# Allegro board 6089-119-RevB_08.brd (continued)
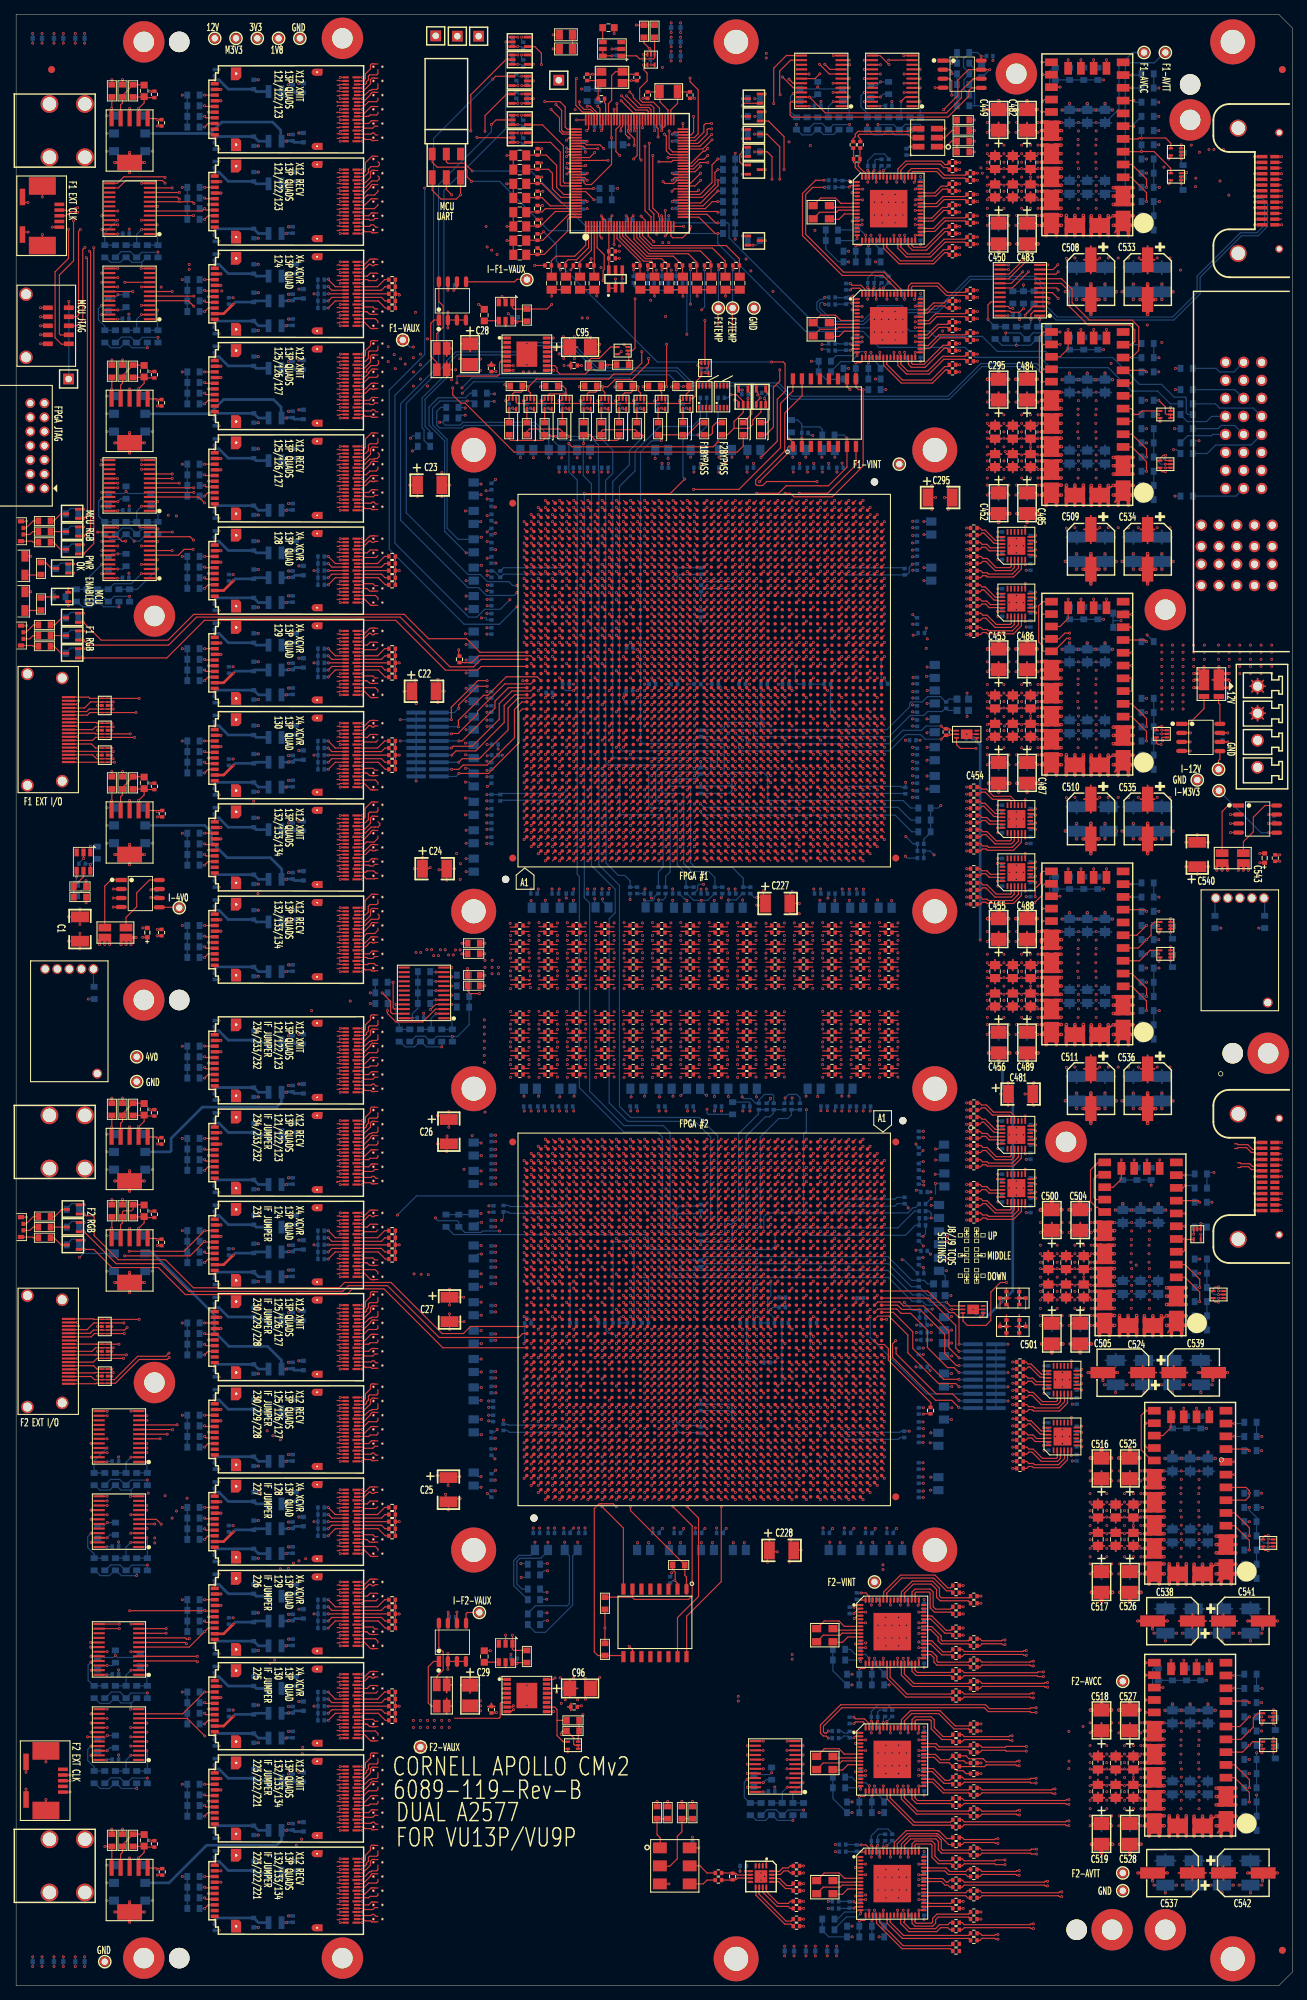
[diagram p0: board, top side]
## Routing (per net, layer and track width the routed paths; a pad name or vN(x,y) marks a point on that pad's centre or on a via; arc(x,y) is an arc through that point) (continued)
V_F1_AVCC: length 202.6
  TOP w0.165: U75.AB41 v1(92.61,199.29) ; U75.BF14 v1(117.39,171.51) ; U75.R13 v1(85.61,170.51) ; U75.H10 v1(78.61,167.51) ; U75.Y10 v1(90.61,167.51) ; U75.V41 v1(88.61,199.29) ; U75.P11 v1(84.61,168.51) ; U75.R39 v1(85.61,197.29) ; U75.AR13 v1(106.39,170.51) ; U75.AH42 v1(99.39,200.29) ; U75.BE13 v1(116.39,170.51) ; U75.BD10 v1(115.39,167.51) ; U75.AK11 v1(101.39,168.51) ; U75.N12 v1(83.61,169.51) ; U75.AM42 v1(103.39,200.29) ; v1(74.1,248.95) 74,248.85 R90.1 ; U75.M10 v1(82.61,167.51) ; U75.AP41 v1(105.39,199.29) ; U75.G17 v1(77.61,174.51) ; U75.AJ12 v1(100.39,169.51) ; U75.AH10 v1(99.39,167.51) ; U75.AY10 v1(111.39,167.51) ; U75.G39 v1(77.61,197.29) ; U75.H42 v1(78.61,200.29) ; U75.AB11 v1(92.61,168.51) ; U75.BB11 v1(113.39,168.51) ; U75.AR39 v1(106.39,197.29) ; U75.AY42 v1(111.39,200.29) ; U75.N40 v1(83.61,198.29) ; U75.T10 v1(86.61,167.51) ; U75.K41 v1(80.61,199.29) ; U75.AD42 v1(94.61,200.29) ; U75.BE39 v1(116.39,197.29) ; U75.AU40 v1(108.39,198.29) ; U75.BF15 v1(117.39,172.51) ; U75.AD10 v1(94.61,167.51) ; U75.AP11 v1(105.39,168.51) ; U75.AK41 v1(101.39,199.29) ; U75.AW39 v1(110.39,197.29) ; U75.AF11 v1(97.39,168.51) ; U75.P41 v1(84.61,199.29) ; U75.V11 v1(88.61,168.51) ; U75.M42 v1(82.61,200.29) ; U75.G35 v1(77.61,193.29) ; U75.T42 v1(86.61,200.29) ; U75.AV41 v1(109.39,199.29) ; U75.U12 v1(87.61,169.51) ; U75.AM10 v1(103.39,167.51) ; U75.AC12 v1(93.61,169.51) ; U75.AJ40 v1(100.39,198.29) ; U75.AV11 v1(109.39,168.51) ; U75.BF37 v1(117.39,195.29) ; U75.AT10 v1(107.39,167.51) ; U75.U40 v1(87.61,198.29) ; U75.AT42 v1(107.39,200.29) ; U75.Y42 v1(90.61,200.29) ; U75.AW13 v1(110.39,170.51) ; U75.BD42 v1(115.39,200.29) ; U75.BB41 v1(113.39,199.29) ; U75.G13 v1(77.61,170.51) ; U75.AF41 v1(97.39,199.29) ; U75.AC40 v1(93.61,198.29) ; U75.BF38 v1(117.39,196.29) ; U75.AU12 v1(108.39,169.51) ; U75.K11 v1(80.61,168.51)
  TOP w0.254: 137.2,261.44 C449.1 ; C449.1 139.8,261.44 ; C449.1 138.5,262.53 ; C449.1 138.5,260.35 ; C457.1 140.5,258.56 ; C457.1 140.5,257.06 ; C457.1 139.6,257.81 ; C457.1 141.4,257.81 ; 144.72,258.12 U105.23 147.18,258.12 ; C441.1 138,258.56 ; C441.1 138,257.06 ; C441.1 137.1,257.81 ; C441.1 138.9,257.81 ; 142.5,260.35 C482.1 ; C482.1 142.5,262.53 ; C482.1 143.8,261.44 ; C482.1 141.2,261.44 ; C490.1 143,258.56 ; C490.1 142.1,257.81 ; C490.1 143,257.06 ; C490.1 143.9,257.81 ; 147.18,261.38 U105.22 144.72,261.38
  TOP w0.5: v1(144.54,259.35) 145.43,259.35 145.93,258.85 145.93,258.82 ; v1(144.55,262.55) 144.6,262.6 145.4,262.6 145.93,262.07 ; 147.13,262.55 146.4,262.55 145.93,262.07 ; 145.93,258.15 145.93,257.43 ; 145.93,258.15 v1(144.54,258.15) ; 145.93,258.15 145.93,258.82 ; 145.93,258.15 v1(147.31,258.15) ; 145.93,257.43 146.4,256.95 v1(147.31,256.95) ; 145.93,257.43 145.45,256.95 v1(144.54,256.95) ; 145.93,261.4 145.93,262.07 ; 145.93,261.4 v1(147.35,261.4) ; 145.93,261.4 145.93,260.68 ; 145.93,261.4 v1(144.55,261.4) ; 145.93,260.68 145.5,260.25 144.65,260.25 ; 145.93,260.68 146.35,260.25 147.25,260.25 ; 145.93,258.82 146.45,259.35 v1(147.31,259.35)
  PWR3 w0.152: v1(74.1,248.95) 64.7,239.55 64.7,224.4 v1(63.6,223.3)
  BOTTOM w0.165: v1(66.4,204.85) 66.9,205.35 C992.1 ; C933.1 v1(83.45,213.29) ; C731.1 v1(128.4,170.46) ; C860.1 113.39,153.96 v1(113.39,154.53) ; C1008.1 v1(66.36,161.85) ; v1(63.35,167.35) 63.96,167.35 C1036.1 ; C1007.1 v1(66.35,163.85) ; C852.1 115.45,153.01 arc(115.44,152.97) v1(115.41,152.93) C855.1 ; C935.1 82.65,152.81 v1(82.65,153.15) ; C598.1 155.45,264.44 155.45,270.45 157.4,272.4 PM22.1 ; C865.1 v1(111.31,215.37) ; C777.1 v1(126.39,204.35) ; C940.1 v1(80.91,215.3) ; v1(126.36,170.5) 126.85,170.5 C787.1 ; C934.1 83.61,154.06 v1(83.61,154.62) ; C732.1 v1(127.97,206.31) ; v1(66.4,203.5) 66.64,203.5 C993.1 ; R474.2 64.24,223.3 v1(63.6,223.3) 59.75,223.3 58.7,222.25 58.7,219.95 60.75,217.9 60.75,205.38 62.32,203.81 C1027.1 64.79,204.1 v1(65.6,204.1) ; C939.1 81.5,153.95 81.5,154.53 v1(81.56,154.53) ; C938.1 v1(81.45,213.29) ; C788.1 126.5,168.35 v1(126.4,168.45) ; C776.1 v1(126.39,206.35) ; C862.1 v1(112.45,214.51) ; C866.1 v1(110.45,214.51)
  BOTTOM w0.254: 151,261.74 C617.1 ; C617.1 151,263.24 ; C617.1 151.9,262.49 ; C617.1 150.1,262.49 ; C441.1 138,258.56 ; C441.1 137.1,257.81 ; C441.1 138.9,257.81 ; C441.1 138,257.06 ; 152.6,262.49 C598.1 ; C598.1 154.4,262.49 ; C598.1 153.5,261.74 ; C598.1 153.5,263.24 ; 148.5,261.74 C635.1 ; C635.1 148.5,263.24 ; C635.1 147.6,262.49 ; C635.1 149.4,262.49 ; C482.1 143.8,261.44 ; C482.1 142.5,262.53 ; C482.1 142.5,260.35 ; C482.1 141.2,261.44 ; 139.6,257.81 C457.1 ; C457.1 141.4,257.81 ; C457.1 140.5,257.06 ; C457.1 140.5,258.56 ; 142.1,257.81 C490.1 ; C490.1 143,258.56 ; C490.1 143.9,257.81 ; C490.1 143,257.06 ; C449.1 138.5,262.53 ; C449.1 138.5,260.35 ; C449.1 137.2,261.44 ; C449.1 139.8,261.44
  vias: v1(136.9,262.55) v1(136.9,261.15) v1(136.9,259.35) v1(136.9,258.15) v1(136.9,256.95) v1(139.25,259.35) v1(139.25,258.15) v1(139.25,256.95) v1(139.95,262.55) v1(139.95,261.15) v1(140.95,261.15) v1(141.05,262.55) v1(141.75,259.35) v1(141.75,258.15) v1(141.75,256.95) v1(143,259.35) v1(144.05,262.55) v1(144.05,261.15) v1(144.05,259.35) v1(144.05,258.15) v1(144.05,256.95) v1(144.55,260.25) v1(147.35,262.55) v1(147.35,260.25) v1(149.7,260.15) v1(149.7,259.35) v1(149.7,258.15) v1(149.65,256.95) v1(149.75,262.55) v1(149.75,261.35) v1(152.25,262.55) v1(152.25,261.35) v1(152.25,260.15) v1(152.2,259.35) v1(152.2,258.15) v1(152.2,256.95)
V_F1_AVTT: length 327.6
  TOP w0.165: U75.H7 v1(78.61,164.51) ; U75.P6 v1(84.61,163.51) ; U75.E13 v1(75.61,170.51) ; U75.B37 v1(72.61,195.29) ; U75.A40 v1(71.61,198.29) ; U75.AB13 v1(92.61,170.51) ; U75.BB46 v1(113.39,204.29) ; U75.C39 v1(73.61,197.29) ; U75.T45 v1(86.61,203.29) ; U75.K6 v1(80.61,163.51) ; U75.G11 v1(77.61,168.51) ; U75.BD45 v1(115.39,203.29) ; U75.B15 v1(72.61,172.51) ; U75.BE41 v1(116.39,199.29) ; U75.AK46 v1(101.39,204.29) ; U75.G43 v1(77.61,201.29) ; U75.AL9 v1(102.39,166.51) ; U75.BD7 v1(115.39,164.51) ; U75.AV6 v1(109.39,163.51) ; U75.AP46 v1(105.39,204.29) ; U75.AN44 v1(104.39,202.29) ; U75.F41 v1(76.61,199.29) ; U75.A12 v1(71.61,169.51) ; U75.D42 v1(74.61,200.29) ; U75.L9 v1(81.61,166.51) ; U75.R9 v1(85.61,166.51) ; U75.AJ8 v1(100.39,165.51) ; U75.F11 v1(76.61,168.51) ; U75.A8 v1(71.61,165.51) ; U75.AE8 v1(95.61,165.51) ; U75.H45 v1(78.61,203.29) ; U75.AF6 v1(97.39,163.51) ; U75.J44 v1(79.61,202.29) ; U75.BG9 v1(118.39,166.51) ; U75.AC43 v1(93.61,201.29) ; U75.U8 v1(87.61,165.51) ; U75.AM45 v1(103.39,203.29) ; U75.AT45 v1(107.39,203.29) ; U75.BC9 v1(114.39,166.51) ; U75.AA44 v1(91.61,202.29) ; U75.BB6 v1(113.39,163.51) ; U75.BF11 v1(117.39,168.51) ; U75.C13 v1(73.61,170.51) ; U75.AM7 v1(103.39,164.51) ; U75.BK37 v1(121.39,195.29) ; U75.N8 v1(83.61,165.51) ; U75.B11 v1(72.61,168.51) ; U75.BE8 v1(116.39,165.51) ; U75.AD7 v1(94.61,164.51) ; U75.A44 v1(71.61,202.29) ; U75.L43 v1(81.61,201.29) ; U75.BH10 v1(119.39,167.51) ; U75.Y7 v1(90.61,164.51) ; U75.AR43 v1(106.39,201.29) ; U75.BG13 v1(118.39,170.51) ; U75.AK6 v1(101.39,163.51) ; U75.AU44 v1(108.39,202.29) ; U75.BH38 v1(119.39,196.29) ; U75.BF41 v1(117.39,199.29) ; U75.AY7 v1(111.39,164.51) ; U75.G41 v1(77.61,199.29) ; U75.BA44 v1(112.39,202.29) ; U75.D14 v1(74.61,171.51) ; U75.AA8 v1(91.61,165.51) ; U75.AB39 v1(92.61,197.29) ; U75.BA8 v1(112.39,165.51) ; U75.C43 v1(73.61,201.29) ; U75.BG39 v1(118.39,197.29) ; U75.R43 v1(85.61,201.29) ; U75.U44 v1(87.61,202.29) ; U75.BJ12 v1(120.39,169.51) ; U75.C9 v1(73.61,166.51) ; U75.BJ8 v1(120.39,165.51) ; U75.BJ40 v1(120.39,198.29) ; U75.W43 v1(89.61,201.29) ; U75.AB46 v1(92.61,204.29) ; U75.BE44 v1(116.39,202.29) ; U75.J8 v1(79.61,165.51) ; U75.D10 v1(74.61,167.51) ; U75.AL43 v1(102.39,201.29) ; U75.AW9 v1(110.39,166.51) ; U75.E40 v1(75.61,198.29) ; U75.BK15 v1(121.39,172.51) ; U75.BE11 v1(116.39,168.51) ; U75.AF46 v1(97.39,204.29) ; U75.BG43 v1(118.39,201.29) ; U75.AT7 v1(107.39,164.51) ; U75.AP6 v1(105.39,163.51) ; U75.F15 v1(76.61,172.51) ; U75.E44 v1(75.61,202.29) ; R89.1 v1(74.2,250.85) ; U75.M45 v1(82.61,203.29) ; U75.AC9 v1(93.61,166.51) ; U75.BH14 v1(119.39,171.51) ; U75.N44 v1(83.61,202.29) ; U75.AW43 v1(110.39,201.29) ; U75.AV46 v1(109.39,204.29) ; U75.K46 v1(80.61,204.29) ; U75.F37 v1(76.61,195.29) ; U75.AG9 v1(98.39,166.51) ; U75.AD45 v1(94.61,203.29) ; U75.W9 v1(89.61,166.51) ; U75.D38 v1(74.61,196.29) ; U75.BL13 v1(122.39,170.51) ; U75.AR9 v1(106.39,166.51) ; U75.AK39 v1(101.39,197.29) ; U75.E8 v1(75.61,165.51) ; U75.AU8 v1(108.39,165.51) ; U75.AG43 v1(98.39,201.29) ; U75.G9 v1(77.61,166.51) ; U75.B41 v1(72.61,199.29) ; U75.Y45 v1(90.61,203.29) ; U75.M7 v1(82.61,164.51) ; U75.V46 v1(88.61,204.29) ; U75.T7 v1(86.61,164.51) ; U75.BL39 v1(122.39,197.29) ; U75.AJ44 v1(100.39,202.29) ; U75.AE44 v1(95.61,202.29) ; U75.P46 v1(84.61,204.29) ; U75.BL9 v1(122.39,166.51) ; U75.AN8 v1(104.39,165.51) ; U75.BH42 v1(119.39,200.29) ; U75.BL43 v1(122.39,201.29) ; U75.BJ44 v1(120.39,202.29) ; U75.V6 v1(88.61,163.51) ; U75.AY45 v1(111.39,203.29) ; U75.AH45 v1(99.39,203.29) ; U75.AB6 v1(92.61,163.51) ; U75.AK13 v1(101.39,170.51) ; U75.BK11 v1(121.39,168.51) ; U75.BC43 v1(114.39,201.29) ; U75.BK41 v1(121.39,199.29) ; U75.AH7 v1(99.39,164.51)
  TOP w0.254: C483.1 142.5,249.45 ; C483.1 143.8,248.36 ; C483.1 141.2,248.36 ; 139.6,251.99 C458.1 ; C458.1 140.5,251.24 ; C458.1 141.4,251.99 ; C458.1 140.5,252.74 ; 138,251.24 C442.1 ; C442.1 137.1,251.99 ; C442.1 138,252.74 ; C442.1 138.9,251.99 ; 143,251.24 C491.1 ; C491.1 143,252.74 ; C491.1 142.1,251.99 ; C491.1 143.9,251.99 ; 137.2,248.36 C450.1 ; C450.1 138.5,249.45 ; C450.1 139.8,248.36 ; 144.72,248.38 145.95,248.38 ; 144.72,251.62 U105.25 147.18,251.62
  TOP w0.5: 145.93,249.07 145.93,248.4 ; 145.93,249.07 145.55,249.45 v1(144.55,249.45) ; 145.93,249.07 146.3,249.45 v1(147.33,249.45) ; 145.93,248.4 146.28,248.05 v1(147.35,248.05) ; 145.93,248.4 145.57,248.05 v1(144.55,248.05) ; 145.93,248.4 145.93,247.68 ; v1(147.31,252.85) 146.45,252.85 145.93,252.32 ; v1(147.31,251.65) 145.93,251.65 ; 145.93,251.65 145.93,250.93 ; 145.93,251.65 v1(144.54,251.65) ; 145.93,251.65 145.93,252.32 ; v1(144.54,250.45) 145.45,250.45 145.93,250.93 ; 145.93,247.68 146.65,246.95 v1(146.65,246.6) ; 145.93,247.68 145.2,246.95 v1(145.2,246.6) ; 145.93,252.32 145.93,252.35 145.43,252.85 v1(144.54,252.85) ; 145.93,250.93 146.4,250.45 v1(147.31,250.45)
  SIG1 w0.079: 96.55,198.3 96.55,200.45 96.9,200.8 97.9,200.8 v1(98.39,201.29) ; 96.55,198.3 96.68,198.3 96.68,198.33 96.53,198.33 v1(96.5,198.3) ; 96.55,198.3 96.55,195.35 v1(96.5,195.3) ; v1(98.39,166.51) 97.95,166.95 97,166.95 96.5,167.45 v1(96.5,169.45) v1(96.5,172.5)
  PWR3 w0.152: v1(74.2,250.85) 74.2,249.75 74.55,249.4 74.55,248.45 66.8,240.7 66.8,225.8 63.7,222.7 62.1,222.7 v1(59.7,220.3)
  BOTTOM w0.165: C786.1 126.84,172.51 v1(126.36,172.51) ; C832.1 v1(119.41,152.91) ; v1(96.5,169.45) R427.1 96.65,169.05 100.65,169.05 100.9,169.3 100.9,170.02 v1(101.39,170.51) ; v1(96.5,198.3) 96.5,198.85 ; 96.5,198.85 93.55,198.85 93.15,198.45 93.15,197.83 v1(92.61,197.29) ; 96.5,198.85 R424.1 ; v1(96.5,195.3) R425.1 97.04,196.87 100.97,196.87 v1(101.39,197.29) ; 60.04,220.3 v1(59.7,220.3) ; 60.04,220.3 60.11,220.3 60.51,219.9 62.6,219.9 63,220.3 73.15,220.3 76.91,216.54 C955.1 v1(76.91,215.3) ; 60.04,220.3 R481.2 ; C946.1 v1(79.45,213.29) ; v1(77.61,199.29) 77.22,198.9 68.7,198.9 R471.1 67.35,199.35 C995.1 v1(66.4,199.35) ; v1(116.43,214.53) 116.43,214.53 116.45,214.53 116.45,214.55 116.45,214.05 C839.1 ; C854.1 v1(115.41,215.37) ; C948.1 78.61,154.06 v1(78.61,154.53) ; C835.1 v1(117.45,154.51) ; PM23.1 161.9,272.4 160.45,270.95 156.85,270.95 156.35,270.45 156.35,253.4 155.8,252.85 153.86,252.85 C599.1 ; C733.1 v1(127.97,199.81) ; C1037.1 v1(63.44,162.81) ; v1(125.39,169.57) 125.39,168.89 R310.1 124.85,168.85 124.7,169 116.88,169 v1(116.39,168.51) ; v1(126.36,202.29) 126.4,202.29 126.4,202.3 126.45,202.35 C778.1 ; v1(96.5,172.5) R426.1 96.4,171.65 95.75,171 93.1,171 v1(92.61,170.51) ; C1006.1 v1(66.36,165.85) ; C730.1 v1(128.41,174.51) ; C785.1 126.64,174.5 v1(126.36,174.5) ; C951.1 78.46,152.76 78.55,152.85 78.55,152.95 v1(78.57,152.95) ; C956.1 76.5,153.95 76.5,154.53 v1(76.56,154.53) ; v1(116.39,199.29) 116.88,198.8 R311.1 125.55,198.8 125.9,199.15 125.9,199.85 v1(126.35,200.3) 126.4,200.35 C779.1 ; v1(66.35,167.85) C1005.1 R472.1 68.4,168 77.1,168 v1(77.61,168.51) ; v1(65.6,200.15) 64.84,200.15 C1028.1 ; C857.1 v1(114.55,214.51) ; C826.1 v1(119.45,154.51) ; C994.1 66.8,201.15 v1(66.4,201.15) ; C953.1 v1(77.45,213.29)
  BOTTOM w0.254: 137.2,248.36 C450.1 ; C450.1 139.8,248.36 ; C450.1 138.5,247.27 ; C450.1 138.5,249.45 ; C618.1 151.9,252.49 ; C618.1 151,251.74 ; C618.1 150.1,252.49 ; C442.1 138.9,251.99 ; C442.1 138,251.24 ; C442.1 137.1,251.99 ; C442.1 138,252.74 ; 148.5,251.74 C636.1 ; C636.1 149.4,252.49 ; C636.1 147.6,252.49 ; 142.5,247.27 C483.1 ; C483.1 142.5,249.45 ; C483.1 143.8,248.36 ; C483.1 141.2,248.36 ; C491.1 143,252.74 ; C491.1 143,251.24 ; C491.1 142.1,251.99 ; C491.1 143.9,251.99 ; 139.6,251.99 C458.1 ; C458.1 140.5,252.74 ; C458.1 141.4,251.99 ; C458.1 140.5,251.24 ; 152.6,252.49 C599.1 153.5,251.74
  vias: v1(66.1,144.5) v1(66.1,143.5) v1(67.1,144.5) v1(67.1,143.5) v1(67.1,142.6) v1(68,143.5) v1(68,142.6) v1(71.5,227.4) v1(72.3,227.4) v1(73.1,227.4) v1(136.9,252.85) v1(136.9,251.65) v1(136.9,250.45) v1(136.9,249.45) v1(136.9,248.05) v1(139.25,252.85) v1(139.25,251.65) v1(139.25,250.45) v1(139.95,249.45) v1(139.95,248.05) v1(140.95,248.05) v1(141.05,249.45) v1(141.75,252.85) v1(141.75,251.65) v1(141.75,250.45) v1(143,250.45) v1(144.05,252.85) v1(144.05,251.65) v1(144.05,250.45) v1(144.05,249.45) v1(144.05,248.05) v1(149.7,250.45) v1(149.75,252.85) v1(149.75,251.65) v1(152.25,252.85) v1(152.25,251.65) v1(152.25,250.45)
V_F1_FF1_3V8: length 7.9
  TOP w0.165: C9.1 18.14,266.05 C2.2 ; U13.2 v1(17.27,264.53) 17.28,264.53 18.05,265.3 C2.2 ; C2.2 17.95,266.14 R27.1
  BOTTOM w0.165: v1(17.27,264.53) 17.27,264.5 18.2,263.57 SW1.1
V_F1_FF1_XMIT: length 25
  BOTTOM w0.165: SW1.2 19.2,261
  BOTTOM w0.38: C1054.1 39.21,259.74 C1088.1 38.17,259.95 v1(38.12,259.9) L6.1 37.3,260.01 37.3,261.45 36.15,262.6 29,262.6 27.4,261 19.2,261
V_F1_FF2_3V8: length 7.9
  TOP w0.165: C10.1 18.14,226.55 C3.2 ; U16.2 v1(17.27,225.03) 17.28,225.03 18.05,225.8 C3.2 ; C3.2 17.95,226.64 R28.1
  BOTTOM w0.165: v1(17.27,225.03) 17.27,225 18.2,224.07 SW2.1
V_F1_FF2_XMIT: length 25.2
  BOTTOM w0.38: C1057.1 39.21,220.74 C1093.1 38.17,220.95 v1(38.12,220.9) L13.1 37.35,220.96 37.35,222.45 36.3,223.5 29.25,223.5 27.25,221.5 SW2.2
V_F1_FF3_3V8: length 7.9
  TOP w0.165: R29.1 17.95,168.64 C4.2 ; C4.2 18.14,168.55 C11.1 ; C4.2 18.05,167.8 17.28,167.03 v1(17.27,167.03) U19.2
  BOTTOM w0.165: SW3.1 18.2,166.07 17.27,167 v1(17.27,167.03)
V_F1_FF3_XMIT: length 27.3
  BOTTOM w0.38: C1062.1 39.21,155.74 C1102.1 38.17,155.95 v1(38.12,155.9) L26.1 37.45,155.94 37.45,157.35 35.85,158.95 29.75,158.95 27.55,161.15 27.55,162.55 26.6,163.5 SW3.2
V_F1_INT: length 520
  TOP w0.165: U75.Y28 v1(90.61,186.29) ; U75.Y32 v1(90.61,190.29) ; U75.Y20 v1(90.61,177.51) ; v1(56.4,180.65) 56.4,181.79 C22.1 ; v1(58.38,157.55) 58.25,157.55 58.1,157.4 C24.1 ; U75.AB28 v1(92.61,186.29) ; U75.AH30 v1(99.39,188.29) ; U75.AN17 v1(104.39,174.51) ; U75.AU27 v1(108.39,185.29) ; U75.W25 v1(89.61,182.51) ; U75.AF30 v1(97.39,188.29) ; U75.AU23 v1(108.39,180.51) ; U75.AC15 v1(93.61,172.51) ; U75.AM18 v1(103.39,175.51) ; U75.U29 v1(87.61,187.29) ; U75.AJ23 v1(100.39,180.51) ; U75.AA21 v1(91.61,178.51) ; U75.AR23 v1(106.39,180.51) ; C24.1 v1(57.29,159) ; C24.1 v1(56.15,157.4) ; v1(104.4,153.35) 105.15,153.35 105.64,152.86 ; U75.AL27 v1(102.39,185.29) ; U75.AG25 v1(98.39,182.51) ; C23.1 v1(56.59,209.84) ; C23.1 v1(56.59,213.04) ; C23.1 v1(55.5,211.45) ; U75.AP16 v1(105.39,173.51) ; U75.AH28 v1(99.39,186.29) ; U75.AE29 v1(95.61,187.29) ; U75.AN19 v1(104.39,176.51) ; U75.AC31 v1(93.61,189.29) ; C22.1 55.79,182.69 56.25,183.15 v1(56.25,184) ; C22.1 v1(54.69,182.4) ; U75.AA33 v1(91.61,191.29) ; U75.AL33 v1(102.39,191.29) ; U75.AK32 v1(101.39,190.29) ; U75.AB18 v1(92.61,175.51) ; U75.AG23 v1(98.39,180.51) ; U75.AH16 v1(99.39,173.51) ; U75.Y26 v1(90.61,184.29) ; U75.AE31 v1(95.61,189.29) ; U75.AG33 v1(98.39,191.29) ; v1(106.5,228.8) 108.15,228.8 108.4,228.55 108.4,224.65 107.3,223.55 107.3,217.65 v1(105,215.35) ; U75.AF20 v1(97.39,177.51) ; U75.AE19 v1(95.61,176.51) ; U75.AH32 v1(99.39,190.29) ; U75.AL31 v1(102.39,189.29) ; 105.64,152.86 105.64,153.26 105.35,153.55 105.35,154.29 v1(105.36,154.3) ; 105.64,152.86 C227.1 105.64,152.42 105.47,152.25 104.41,152.25 v1(104.4,152.26) ; U75.Y24 v1(90.61,181.51) ; U75.V24 v1(88.61,181.51) ; U75.AJ29 v1(100.39,187.29) ; U75.AH22 v1(99.39,179.51) ; U75.AG31 v1(98.39,189.29) ; U75.AC17 v1(93.61,174.51) ; v1(129.1,208) 129.1,209.14 C295.1 ; U75.AM32 v1(103.39,190.29) ; U75.AU29 v1(108.39,187.29) ; U75.AG17 v1(98.39,174.51) ; U75.AC29 v1(93.61,187.29) ; U75.AL21 v1(102.39,178.51) ; U75.AP32 v1(105.39,190.29) ; U75.W21 v1(89.61,178.51) ; U75.AB32 v1(92.61,190.29) ; U75.W31 v1(89.61,189.29) ; U75.AD16 v1(94.61,173.51) ; U75.W19 v1(89.61,176.51) ; U75.AJ21 v1(100.39,178.51) ; v1(74.35,247.15) 74.05,246.85 R91.1 ; U75.V22 v1(88.61,179.51) ; U75.AA15 v1(91.61,172.51) ; U75.AH24 v1(99.39,181.51) ; U75.AF16 v1(97.39,173.51) ; U75.Y22 v1(90.61,179.51) ; U75.AN29 v1(104.39,187.29) ; U75.AE17 v1(95.61,174.51) ; U75.AD30 v1(94.61,188.29) ; U75.AJ17 v1(100.39,174.51) ; U75.AK30 v1(101.39,188.29) ; U75.AB30 v1(92.61,188.29) ; U75.AM26 v1(103.39,184.29) ; U75.AM22 v1(103.39,179.51) ; U75.AE23 v1(95.61,180.51) ; U75.AC33 v1(93.61,191.29) ; U75.AF22 v1(97.39,179.51) ; U75.AK24 v1(101.39,181.51) ; U75.AA17 v1(91.61,174.51) ; U75.AL23 v1(102.39,180.51) ; U75.AR27 v1(106.39,185.29) ; U75.AL25 v1(102.39,182.51) ; U75.AA19 v1(91.61,176.51) ; C295.1 129.1,210.26 v1(129.1,211.4) ; C295.1 v1(129.63,209.7) ; U75.AC19 v1(93.61,176.51) ; U75.Y30 v1(90.61,188.29) ; U75.Y16 v1(90.61,173.51) ; U75.AH20 v1(99.39,177.51) ; U75.AB26 v1(92.61,184.29) ; U75.AB20 v1(92.61,177.51) ; U75.AP24 v1(105.39,181.51) ; U75.AF28 v1(97.39,186.29) ; U75.W27 v1(89.61,185.29) ; U75.AL17 v1(102.39,174.51) ; U75.AR25 v1(106.39,182.51) ; U75.V26 v1(88.61,184.29) ; U75.AP30 v1(105.39,188.29) ; U75.AB22 v1(92.61,179.51) ; U75.W23 v1(89.61,180.51) ; U75.AD22 v1(94.61,179.51) ; U75.AE33 v1(95.61,191.29) ; U75.AA31 v1(91.61,189.29) ; U75.AC21 v1(93.61,178.51) ; U75.W29 v1(89.61,187.29) ; U75.AE15 v1(95.61,172.51) ; U75.AP20 v1(105.39,177.51) ; U75.AT24 v1(107.39,181.51) ; U75.W17 v1(89.61,174.51) ; U75.AE27 v1(95.61,185.29) ; U75.AD20 v1(94.61,177.51) ; U75.AP18 v1(105.39,175.51) ; U75.AB16 v1(92.61,173.51) ; U75.AK26 v1(101.39,184.29) ; U75.AT28 v1(107.39,186.29) ; U75.AF18 v1(97.39,175.51) ; U75.AJ31 v1(100.39,189.29) ; U75.AA23 v1(91.61,180.51) ; U75.AT30 v1(107.39,188.29) ; U75.U27 v1(87.61,185.29) ; U75.AM16 v1(103.39,173.51) ; U75.AN15 v1(104.39,172.51) ; U75.AD24 v1(94.61,181.51) ; U75.AK20 v1(101.39,177.51) ; U75.AK16 v1(101.39,173.51) ; U75.AN25 v1(104.39,182.51) ; U75.AB24 v1(92.61,181.51) ; U75.AN33 v1(104.39,191.29) ; U75.V30 v1(88.61,188.29) ; U75.AM28 v1(103.39,186.29) ; U75.AC27 v1(93.61,185.29) ; U75.AC25 v1(93.61,182.51) ; U75.AP26 v1(105.39,184.29) ; U75.AN31 v1(104.39,189.29) ; U75.W15 v1(89.61,172.51) ; U75.U31 v1(87.61,189.29) ; U75.AL19 v1(102.39,176.51) ; U75.AG29 v1(98.39,187.29) ; U75.AD26 v1(94.61,184.29) ; U75.AM24 v1(103.39,181.51) ; U75.AF26 v1(97.39,184.29) ; U75.AG21 v1(98.39,178.51) ; U75.AF24 v1(97.39,181.51) ; U75.AN23 v1(104.39,180.51) ; U75.AD32 v1(94.61,190.29) ; U75.AR21 v1(106.39,178.51) ; U75.AG27 v1(98.39,185.29) ; U75.AE25 v1(95.61,182.51) ; U75.AL29 v1(102.39,187.29) ; U75.AL15 v1(102.39,172.51) ; U75.AJ33 v1(100.39,191.29) ; U75.AU25 v1(108.39,182.51) ; U75.AF14 v1(97.39,171.51) ; U75.AK22 v1(101.39,179.51) ; U75.AE21 v1(95.61,178.51) ; U75.Y18 v1(90.61,175.51) ; U75.AN21 v1(104.39,178.51) ; U75.AH26 v1(99.39,184.29) ; U75.AJ15 v1(100.39,172.51) ; U75.AK28 v1(101.39,186.29) ; U75.AP22 v1(105.39,179.51) ; U75.AR29 v1(106.39,187.29) ; U75.AT22 v1(107.39,179.51) ; U75.AD18 v1(94.61,175.51) ; U75.AA27 v1(91.61,185.29) ; U75.AJ25 v1(100.39,182.51) ; U75.AH14 v1(99.39,171.51) ; U75.AJ27 v1(100.39,185.29) ; U75.AA29 v1(91.61,187.29) ; U75.V28 v1(88.61,186.29) ; U75.AD28 v1(94.61,186.29) ; U75.W33 v1(89.61,191.29) ; U75.AD14 v1(94.61,171.51) ; U75.AT26 v1(107.39,184.29) ; U75.AP28 v1(105.39,186.29) ; U75.AN27 v1(104.39,185.29) ; U75.AM20 v1(103.39,177.51) ; U75.AF32 v1(97.39,190.29) ; U75.AC23 v1(93.61,180.51) ; U75.AM30 v1(103.39,188.29) ; U75.AG15 v1(98.39,172.51) ; U75.AA25 v1(91.61,182.51) ; U75.AR31 v1(106.39,189.29)
  TOP w0.254: C453.1 139.8,185.44 ; C453.1 138.5,184.35 ; C453.1 138.5,186.53 ; C453.1 137.2,185.44 ; 144.72,210.38 U106.26 ; 141.2,185.44 C486.1 ; C486.1 142.5,186.53 ; C486.1 143.8,185.44 ; C486.1 142.5,184.35 ; 138.5,222.35 C451.1 ; C451.1 139.8,223.44 ; C451.1 138.5,224.53 ; C451.1 137.2,223.44 ; C492.1 143,220.56 ; C492.1 142.1,219.81 ; C492.1 143.9,219.81 ; C492.1 143,219.06 ; 140.5,213.24 C460.1 ; C460.1 141.4,213.99 ; C460.1 139.6,213.99 ; C460.1 140.5,214.74 ; 144.72,172.38 U107.26 ; C461.1 141.4,181.81 ; C461.1 140.5,182.56 ; C461.1 139.6,181.81 ; C461.1 140.5,181.06 ; 143,175.24 C495.1 ; C495.1 143.9,175.99 ; C495.1 142.1,175.99 ; C495.1 143,176.74 ; C452.1 139.8,210.36 ; C452.1 137.2,210.36 ; C452.1 138.5,211.45 ; C487.1 142.5,173.45 ; C487.1 141.2,172.36 ; C487.1 143.8,172.36 ; C443.1 138.9,219.81 ; C443.1 138,219.06 ; C443.1 138,220.56 ; C443.1 137.1,219.81 ; C444.1 138,214.74 ; C444.1 138.9,213.99 ; C444.1 138,213.24 ; C444.1 137.1,213.99 ; 144.72,220.12 U106.23 147.18,220.12 ; 141.2,223.44 C484.1 ; C484.1 142.5,224.53 ; C484.1 142.5,222.35 ; C484.1 143.8,223.44 ; C494.1 143,182.56 ; C494.1 143.9,181.81 ; C494.1 142.1,181.81 ; C494.1 143,181.06 ; C462.1 140.5,176.74 ; C462.1 140.5,175.24 ; C462.1 141.4,175.99 ; C462.1 139.6,175.99 ; 147.18,175.62 U107.25 144.72,175.62 ; C446.1 138,176.74 ; C446.1 137.1,175.99 ; C446.1 138,175.24 ; C446.1 138.9,175.99 ; 142.1,213.99 C493.1 ; C493.1 143.9,213.99 ; C493.1 143,214.74 ; C493.1 143,213.24 ; C445.1 138.9,181.81 ; C445.1 138,182.56 ; C445.1 138,181.06 ; C445.1 137.1,181.81 ; 144.72,185.38 U107.22 147.18,185.38 ; C459.1 140.5,220.56 ; C459.1 139.6,219.81 ; C459.1 141.4,219.81 ; C459.1 140.5,219.06 ; 144.72,213.62 U106.25 147.18,213.62 ; C454.1 139.8,172.36 ; C454.1 138.5,173.45 ; C454.1 137.2,172.36 ; 147.18,223.38 U106.22 144.72,223.38 ; 141.2,210.36 C485.1 ; C485.1 142.5,211.45 ; C485.1 143.8,210.36 ; 144.72,182.12 U107.23 147.18,182.12
  TOP w0.5: 145.93,220.15 145.93,219.43 ; 145.93,220.15 145.93,220.82 ; 145.93,220.15 v1(144.54,220.15) ; 145.93,220.15 v1(147.31,220.15) ; 145.93,219.43 146.4,218.95 v1(147.31,218.95) ; 145.93,219.43 145.45,218.95 v1(144.54,218.95) ; 145.93,214.32 146.45,214.85 v1(147.31,214.85) ; 145.93,214.32 145.93,214.35 145.43,214.85 v1(144.54,214.85) ; 145.93,214.32 145.93,213.65 ; v1(144.54,213.65) 145.93,213.65 ; 145.93,213.65 145.93,212.93 ; 145.93,213.65 v1(147.31,213.65) ; 145.93,174.93 145.45,174.45 v1(144.54,174.45) ; 145.93,174.93 145.93,175.65 ; 145.93,174.93 146.4,174.45 v1(147.31,174.45) ; 144.65,222.25 145.5,222.25 145.93,222.68 ; 145.93,172.4 145.57,172.05 v1(144.55,172.05) ; 145.93,172.4 145.93,171.68 ; 145.93,172.4 U107.26 146.28,172.05 v1(147.35,172.05) ; 145.93,172.4 145.93,173.07 ; 145.93,220.82 145.93,220.85 145.43,221.35 v1(144.54,221.35) ; 145.93,220.82 146.45,221.35 v1(147.31,221.35) ; v1(144.55,211.45) 145.55,211.45 145.93,211.07 ; v1(147.31,180.95) 146.4,180.95 145.93,181.43 ; 145.93,171.68 146.65,170.95 v1(146.65,170.6) ; 145.93,171.68 145.2,170.95 v1(145.2,170.6) ; 144.65,184.25 145.5,184.25 145.93,184.68 ; 145.93,181.43 145.45,180.95 v1(144.54,180.95) ; 145.93,181.43 145.93,182.15 ; 147.13,186.55 146.4,186.55 145.93,186.07 ; v1(144.55,210.05) 145.57,210.05 145.93,210.4 ; v1(147.31,183.35) 146.45,183.35 145.93,182.82 ; 145.93,176.32 146.45,176.85 v1(147.31,176.85) ; 145.93,176.32 145.93,175.65 ; 145.93,176.32 145.93,176.35 145.43,176.85 v1(144.54,176.85) ; 145.93,182.82 145.93,182.15 ; 145.93,182.82 145.93,182.85 145.43,183.35 v1(144.54,183.35) ; 145.93,182.15 v1(147.31,182.15) ; 145.93,182.15 v1(144.54,182.15) ; 145.93,212.93 146.4,212.45 v1(147.31,212.45) ; 145.93,212.93 145.45,212.45 v1(144.54,212.45) ; 145.93,210.4 145.93,209.68 ; 145.93,210.4 145.93,211.07 ; 145.93,210.4 U106.26 146.28,210.05 v1(147.35,210.05) ; 145.93,209.68 146.65,208.95 v1(146.65,208.6) ; 145.93,209.68 145.2,208.95 v1(145.2,208.6) ; 145.93,222.68 146.35,222.25 147.25,222.25 ; 145.93,222.68 145.93,223.4 ; 145.93,211.07 146.3,211.45 v1(147.33,211.45) ; 145.93,175.65 v1(144.54,175.65) ; 145.93,175.65 v1(147.31,175.65) ; 145.93,184.68 145.93,185.4 ; 145.93,184.68 146.35,184.25 147.25,184.25 ; 145.93,185.4 v1(144.55,185.4) ; 145.93,185.4 145.93,186.07 ; 145.93,185.4 v1(147.35,185.4) ; v1(147.35,223.4) 145.93,223.4 ; 145.93,223.4 v1(144.55,223.4) ; 145.93,223.4 145.93,224.07 ; v1(144.55,186.55) 144.6,186.6 145.4,186.6 145.93,186.07 ; 145.93,173.07 145.55,173.45 v1(144.55,173.45) ; 145.93,173.07 146.3,173.45 v1(147.33,173.45) ; 145.93,224.07 145.4,224.6 144.6,224.6 v1(144.55,224.55) ; 145.93,224.07 146.4,224.55 147.13,224.55
  PWR1 w0.254: PM18.1 124.5,215.28 ; PM18.1 125.17,215.07 ; PM18.1 123.62,214.4 ; PM18.1 125.38,214.4 ; PM18.1 125.17,213.73 ; PM18.1 124.5,213.52 ; PM18.1 123.83,215.07 ; PM18.1 123.83,213.73
  PWR5 w0.254: PM18.1 125.38,214.4 ; PM18.1 123.62,214.4 ; PM18.1 125.17,213.73 ; PM18.1 124.5,215.28 ; PM18.1 124.5,213.52 ; PM18.1 125.17,215.07 ; PM18.1 123.83,215.07 ; PM18.1 123.83,213.73
  PWR6 w0.254: 123.83,215.07 PM18.1 ; PM18.1 124.5,215.28 ; PM18.1 124.5,213.52 ; PM18.1 123.83,213.73 ; PM18.1 125.17,213.73 ; PM18.1 123.62,214.4 ; PM18.1 125.17,215.07 ; PM18.1 125.38,214.4
  BOTTOM w0.165: C880.1 v1(99.95,214.51) ; v1(128.4,178.51) 128.4,178.5 128.44,178.46 C729.1 ; v1(63.35,175.1) 64.21,175.1 C1034.1 ; C1026.1 v1(63.34,207.81) ; C990.1 66.85,209.5 v1(66.4,209.5) ; v1(97.3,154.53) 97.3,154.05 C888.1 ; v1(104.4,153.35) 104.05,153.35 R407.1 ; C964.1 72.55,154.5 v1(72.6,154.55) ; C878.1 101.36,153.99 v1(101.36,154.53) ; C879.1 v1(100.91,215.37) ; C1033.1 v1(63.44,178.81) ; v1(63.35,190.5) 64.19,190.5 C1030.1 ; v1(126.36,180.48) 126.87,180.48 C783.1 ; C727.1 129.19,185.81 128.41,185.81 128.41,185.82 v1(128.42,185.82) ; C1031.1 v1(63.44,186.81) ; C885.1 v1(98.41,152.93) ; C781.1 v1(126.45,184.35) ; C877.1 v1(102.41,152.99) ; C1001.1 v1(66.36,180.35) ; C782.1 v1(126.4,182.35) ; C870.1 105,216.31 v1(105,215.35) ; v1(65.55,210.1) 64.61,210.1 C1025.1 ; R486.2 55.95,218.4 v1(55.6,218.05) ; C999.1 v1(66.36,191.35) ; C1035.1 63.76,171.55 v1(63.35,171.55) ; C989.1 67.05,211.7 67.55,212.2 67.6,212.2 v1(67.6,212.25) ; C962.1 74.6,151.99 v1(74.6,152.95) ; C871.1 v1(103.95,214.51) ; C998.1 v1(66.36,193.35) ; C968.1 v1(72.91,215.31) ; v1(74.35,247.15) 76.15,245.35 76.15,243.05 90.4,228.8 v1(106.5,228.8) ; C894.1 97.05,216.26 v1(97.05,215.35) ; C1002.1 v1(66.36,178.35) ; C907.1 94.2,153.15 94.34,153.15 v1(94.56,152.93) C899.1 ; v1(66.4,207.15) 66.8,207.15 C991.1 ; C728.1 v1(128.44,182.51) ; C1004.1 v1(66.36,170.35) ; C895.1 v1(96.45,214.51)
  BOTTOM w0.254: 152.6,224.49 C601.1 ; C601.1 153.5,223.74 ; C601.1 153.5,225.24 ; C601.1 154.4,224.49 ; C493.1 143.9,213.99 ; C493.1 143,213.24 ; C493.1 143,214.74 ; C493.1 142.1,213.99 ; 150.1,176.49 C622.1 ; C622.1 151,175.74 ; C622.1 151.9,176.49 ; 147.6,224.49 C637.1 ; C637.1 148.5,225.24 ; C637.1 148.5,223.74 ; C637.1 149.4,224.49 ; C604.1 154.4,186.49 ; C604.1 152.6,186.49 ; C604.1 153.5,185.74 ; C604.1 153.5,187.24 ; 153.5,213.74 C602.1 152.6,214.49 ; 139.6,219.81 C459.1 ; C459.1 141.4,219.81 ; C459.1 140.5,219.06 ; C459.1 140.5,220.56 ; 151,223.74 C619.1 ; C619.1 151,225.24 ; C619.1 150.1,224.49 ; C619.1 151.9,224.49 ; C638.1 149.4,214.49 ; C638.1 148.5,213.74 ; C638.1 147.6,214.49 ; C620.1 151.9,214.49 ; C620.1 150.1,214.49 ; C620.1 151,213.74 ; 138,213.24 C444.1 ; C444.1 138.9,213.99 ; C444.1 138,214.74 ; C444.1 137.1,213.99 ; 139.6,213.99 C460.1 ; C460.1 140.5,214.74 ; C460.1 140.5,213.24 ; C460.1 141.4,213.99 ; C462.1 140.5,176.74 ; C462.1 139.6,175.99 ; C462.1 141.4,175.99 ; C462.1 140.5,175.24 ; 153.5,175.74 C605.1 152.6,176.49 ; 141.2,185.44 C486.1 ; C486.1 142.5,186.53 ; C486.1 142.5,184.35 ; C486.1 143.8,185.44 ; C443.1 138,220.56 ; C443.1 138,219.06 ; C443.1 138.9,219.81 ; C443.1 137.1,219.81 ; C639.1 148.5,187.24 ; C639.1 148.5,185.74 ; C639.1 149.4,186.49 ; C639.1 147.6,186.49 ; 138.5,171.27 C454.1 ; C454.1 137.2,172.36 ; C454.1 139.8,172.36 ; C454.1 138.5,173.45 ; C492.1 143,220.56 ; C492.1 143,219.06 ; C492.1 143.9,219.81 ; C492.1 142.1,219.81 ; 147.6,176.49 C640.1 ; C640.1 148.5,175.74 ; C640.1 149.4,176.49 ; 142.5,171.27 C487.1 ; C487.1 141.2,172.36 ; C487.1 142.5,173.45 ; C487.1 143.8,172.36 ; C485.1 143.8,210.36 ; C485.1 141.2,210.36 ; C485.1 142.5,209.27 ; C485.1 142.5,211.45 ; C452.1 139.8,210.36 ; C452.1 138.5,209.27 ; C452.1 138.5,211.45 ; C452.1 137.2,210.36 ; 143,175.24 C495.1 ; C495.1 143,176.74 ; C495.1 143.9,175.99 ; C495.1 142.1,175.99 ; 150.1,186.49 C621.1 ; C621.1 151,187.24 ; C621.1 151.9,186.49 ; C621.1 151,185.74 ; C446.1 138,176.74 ; C446.1 137.1,175.99 ; C446.1 138.9,175.99 ; C446.1 138,175.24 ; 137.2,185.44 C453.1 ; C453.1 139.8,185.44 ; C453.1 138.5,186.53 ; C453.1 138.5,184.35 ; 143,181.06 C494.1 ; C494.1 142.1,181.81 ; C494.1 143,182.56 ; C494.1 143.9,181.81 ; 139.6,181.81 C461.1 ; C461.1 140.5,181.06 ; C461.1 141.4,181.81 ; C461.1 140.5,182.56 ; C445.1 138,182.56 ; C445.1 138,181.06 ; C445.1 138.9,181.81 ; C445.1 137.1,181.81 ; 138.5,222.35 C451.1 ; C451.1 139.8,223.44 ; C451.1 138.5,224.53 ; C451.1 137.2,223.44 ; C484.1 142.5,224.53 ; C484.1 142.5,222.35 ; C484.1 143.8,223.44 ; C484.1 141.2,223.44
  vias: v1(136.9,224.55) v1(136.9,223.15) v1(136.9,221.35) v1(136.9,220.15) v1(136.9,218.95) v1(136.9,214.85) v1(136.9,213.65) v1(136.9,212.45) v1(136.9,211.45) v1(136.9,210.05) v1(136.9,186.55) v1(136.9,185.15) v1(136.9,183.35) v1(136.9,182.15) v1(136.9,180.95) v1(136.9,176.85) v1(136.9,175.65) v1(136.9,174.45) v1(136.9,173.45) v1(136.9,172.05) v1(139.25,221.35) v1(139.25,220.15) v1(139.25,218.95) v1(139.25,214.85) v1(139.25,213.65) v1(139.25,212.45) v1(139.25,183.35) v1(139.25,182.15) v1(139.25,180.95) v1(139.25,176.85) v1(139.25,175.65) v1(139.25,174.45) v1(139.95,224.55) v1(139.95,223.15) v1(139.95,211.45) v1(139.95,210.05) v1(139.95,186.55) v1(139.95,185.15) v1(139.95,173.45) v1(139.95,172.05) v1(140.95,223.15) v1(140.95,210.05) v1(140.95,185.15) v1(140.95,172.05) v1(141.05,224.55) v1(141.05,211.45) v1(141.05,186.55) v1(141.05,173.45) v1(141.75,221.35) v1(141.75,220.15) v1(141.75,218.95) v1(141.75,214.85) v1(141.75,213.65) v1(141.75,212.45) v1(141.75,183.35) v1(141.75,182.15) v1(141.75,180.95) v1(141.75,176.85) v1(141.75,175.65) v1(141.75,174.45) v1(143,221.35) v1(143,212.45) v1(143,183.35) v1(143,174.45) v1(144.05,224.55) v1(144.05,223.15) v1(144.05,221.35) v1(144.05,220.15) v1(144.05,218.95) v1(144.05,214.85) v1(144.05,213.65) v1(144.05,212.45) v1(144.05,211.45) v1(144.05,210.05) v1(144.05,186.55) v1(144.05,185.15) v1(144.05,183.35) v1(144.05,182.15) v1(144.05,180.95) v1(144.05,176.85) v1(144.05,175.65) v1(144.05,174.45) v1(144.05,173.45) v1(144.05,172.05) v1(144.55,222.25) v1(144.55,184.25) v1(147.35,224.55) v1(147.35,222.25) v1(147.35,186.55) v1(147.35,184.25) v1(149.7,222.15) v1(149.7,221.35) v1(149.7,220.15) v1(149.65,218.95) v1(149.7,212.45) v1(149.7,184.15) v1(149.7,183.35) v1(149.7,182.15) v1(149.65,180.95) v1(149.7,174.45) v1(149.75,224.55) v1(149.75,223.35) v1(149.75,214.85) v1(149.75,213.65) v1(149.75,186.55) v1(149.75,185.35) v1(149.75,176.85) v1(149.75,175.65) v1(152.25,224.55) v1(152.25,223.35) v1(152.25,222.15) v1(152.2,221.35) v1(152.2,220.15) v1(152.2,218.95) v1(152.25,214.85) v1(152.25,213.65) v1(152.25,212.45) v1(152.25,186.55) v1(152.25,185.35) v1(152.25,184.15) v1(152.2,183.35) v1(152.2,182.15) v1(152.2,180.95) v1(152.25,176.85) v1(152.25,175.65) v1(152.25,174.45)
V_F1_VCCAUX: length 71.5
  TOP w0.165: U75.AN13 v1(104.39,170.51) ; U75.AA39 v1(91.61,197.29) ; U75.AL13 v1(102.39,170.51) ; U75.J13 v1(79.61,170.51) ; U75.BC39 v1(114.39,197.29) ; U75.BC13 v1(114.39,170.51) ; U75.L13 v1(81.61,170.51) ; U75.BA39 v1(112.39,197.29) ; U75.BA13 v1(112.39,170.51) ; U56.6 68.38,228.93 68.15,228.7 68.15,227.1 67.85,226.8 62.05,226.8 ; U75.W13 v1(89.61,170.51) ; U75.AN39 v1(104.39,197.29) ; U75.J39 v1(79.61,197.29) ; U75.W39 v1(89.61,197.29) ; U75.AA13 v1(91.61,170.51) ; U75.L39 v1(81.61,197.29) ; U75.AL39 v1(102.39,197.29) ; R88.1 v1(74.25,252.85)